# Altium PCB ControllerPCB2.PcbDoc (continued)
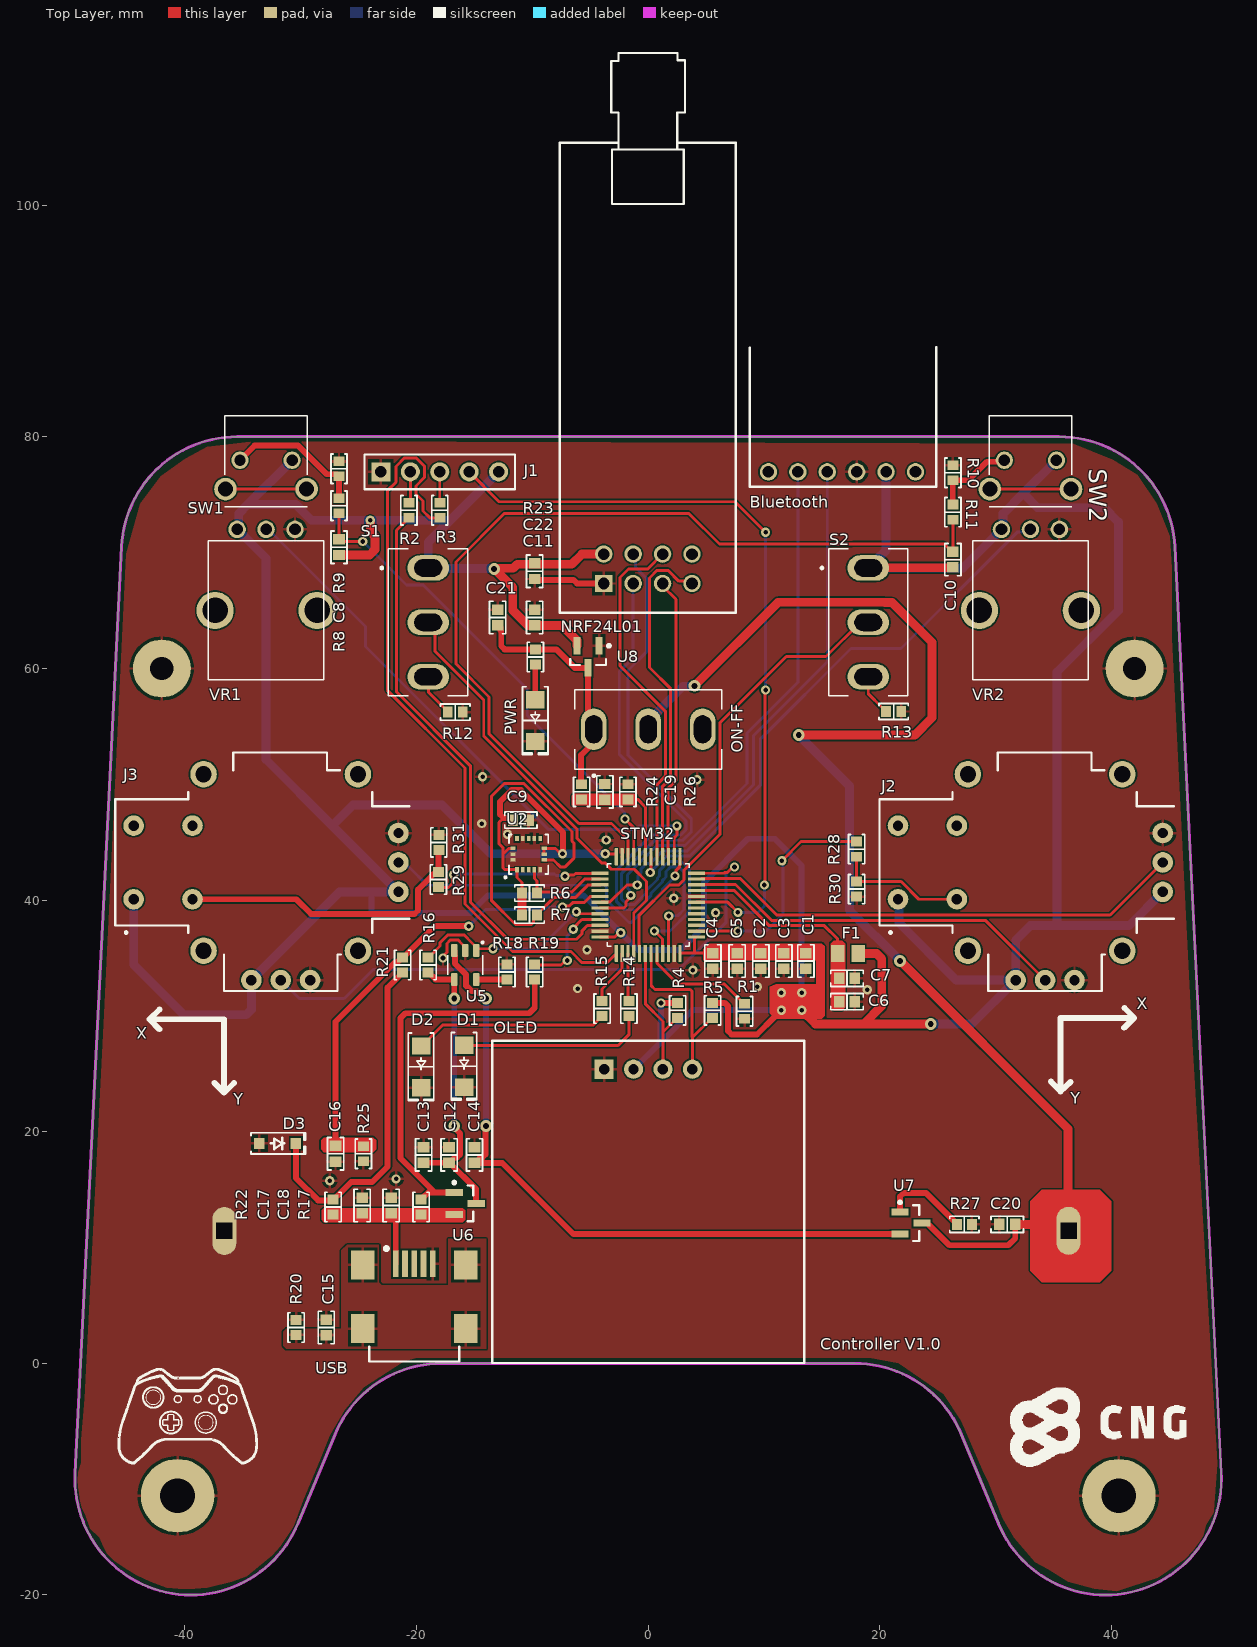
[diagram p0: Top Layer view]
## Part data (continued)
R18 R22: library part ERA-3AEB472V, "RES SMD 4.7K OHM 0.1% 1/10W 0603", Device Package="0603 (1608 Metric)", Manufacturer="Panasonic Electronic Components", Operating Temperature="-55°C ~ 155°C", Power (Watts)="0.1W, 1/10W", Ratings=AEC-Q200, Supplier Device Package=0603, Supplier Part Number 1=P4.7KDBCT-ND, Temperature Coefficient=±25ppm/°C, Tolerance=±0.1%, ComponentLink1Description=Datasheet, ComponentLink1URL=https://industrial.panasonic.com/cdbs/www-data/pdf/RDM0000/AOA0000C307.pdf, ComponentLink2Description="DigiKey Link", ComponentLink2URL=http://digikey.com/product-detail/en/panasonic-electronic-components/ERA-3AEB472V/P4.7KDBCT-ND/1466068, Composition="Thin Film", Features="Automotive AEC-Q200", Height - Seated (Max)="0.022\" (0.55mm)", LastUpdated="2.09.2020 01:10:23", Lifecycle Status=Active, Minimum Order=1, Number of Terminations=2, Package / Case="0603 (1608 Metric)", Packaging=TapeAndReel, Part Number=ERA-3AEB472V, Part Status=Active, PartId=5519, Price=0.04, Resistance="4.7 kOhms", Series=ERA-3A, Size / Dimension="0.063\" L x 0.031\" W (1.60mm x 0.80mm)", Supplier 1=DigiKey
R19: library part RNCS0603BKE100R, "RES 100 OHM 0.1% 1/16W 0603", Device Package="0603 (1608 Metric)", Manufacturer="Stackpole Electronics Inc", Operating Temperature="-55°C ~ 155°C", Power (Watts)="0.063W, 1/16W", Ratings=AEC-Q200, Supplier Device Package=0603, Supplier Part Number 1=RNCS0603BKE100RCT-ND, Temperature Coefficient=±25ppm/°C, Tolerance=±0.1%, ComponentLink1Description=Datasheet, ComponentLink1URL=https://www.seielect.com/catalog/sei-rncs_rnch.pdf, ComponentLink2Description="DigiKey Link", ComponentLink2URL=http://digikey.com/product-detail/en/stackpole-electronics-inc/RNCS0603BKE100R/RNCS0603BKE100RCT-ND/1800117, Composition="Thin Film", Features="Anti-Corrosive, Automotive AEC-Q200, Moisture Resistant", Height - Seated (Max)="0.022\" (0.55mm)", LastUpdated="2.09.2020 01:10:25", Lifecycle Status=Active, Minimum Order=1, Number of Terminations=2, Package / Case="0603 (1608 Metric)", Packaging=TapeAndReel, Part Number=RNCS0603BKE100R, Part Status=Active, PartId=4839, Price=0.08, Resistance="100 Ohms", Series=RNCS, Size / Dimension="0.061\" L x 0.031\" W (1.55mm x 0.80mm)", Supplier 1=DigiKey
R20 R26: library part RMCF0603FT1M00, "RES 1M OHM 1% 1/10W 0603", Device Package="0603 (1608 Metric)", Manufacturer="Stackpole Electronics Inc", Operating Temperature="-55°C ~ 155°C", Power (Watts)="0.1W, 1/10W", Ratings=AEC-Q200, Supplier Device Package=0603, Supplier Part Number 1=RMCF0603FT1M00CT-ND, Temperature Coefficient=±100ppm/°C, Tolerance=±1%, ComponentLink1Description=Datasheet, ComponentLink1URL=https://www.seielect.com/catalog/sei-rmcf_rmcp.pdf, ComponentLink2Description="DigiKey Link", ComponentLink2URL=http://digikey.com/product-detail/en/stackpole-electronics-inc/RMCF0603FT1M00/RMCF0603FT1M00CT-ND/1943143, Composition="Thick Film", Features="Automotive AEC-Q200", Height - Seated (Max)="0.022\" (0.55mm)", LastUpdated="2.09.2020 01:10:22", Lifecycle Status=Active, Minimum Order=1, Number of Terminations=2, Package / Case="0603 (1608 Metric)", Packaging=CutTape, Part Number=RMCF0603FT1M00, Part Status=Active, PartId=6074, Price=0.10, Resistance="1 MOhms", Series=RMCF, Size / Dimension="0.061\" L x 0.031\" W (1.55mm x 0.80mm)", Supplier 1=DigiKey
R21: library part RCS060347K0JNEA, "RES SMD 47K OHM 5% 1/4W 0603", Device Package="0603 (1608 Metric)", Manufacturer="Vishay Dale", Operating Temperature="-55°C ~ 155°C", Power (Watts)="0.25W, 1/4W", Ratings=AEC-Q200, Supplier Device Package=0603, Supplier Part Number 1=541-2819-1-ND, Temperature Coefficient=±200ppm/°C, Tolerance=±5%, ComponentLink1Description=Datasheet, ComponentLink1URL=http://www.vishay.com/docs/20065/rcse3.pdf, ComponentLink2Description="DigiKey Link", ComponentLink2URL=http://digikey.com/product-detail/en/vishay-dale/RCS060347K0JNEA/541-2819-1-ND/5867112, Composition="Thick Film", Features="Automotive AEC-Q200, Pulse Withstanding", Height - Seated (Max)="0.020\" (0.50mm)", LastUpdated="2.09.2020 01:10:23", Lifecycle Status=Active, Minimum Order=1, Number of Terminations=2, Package / Case="0603 (1608 Metric)", Packaging=TapeAndReel, Part Number=RCS060347K0JNEA, Part Status=Active, PartId=5445, Price=0.02, Resistance="47 kOhms", Series="RCS e3", Size / Dimension="0.061\" L x 0.033\" W (1.55mm x 0.85mm)", Supplier 1=DigiKey
R24: library part CRGP0603F270K, "CRGP 0603 270K 1%", Device Package="0603 (1608 Metric)", Manufacturer="TE Connectivity Passive Product", Operating Temperature="-55°C ~ 155°C", Power (Watts)="0.25W, 1/4W", Supplier Device Package=0603, Supplier Part Number 1=A130445CT-ND, Temperature Coefficient=±100ppm/°C, Tolerance=±1%, ComponentLink1Description=Datasheet, ComponentLink1URL=https://www.te.com/commerce/DocumentDelivery/DDEController?Action=srchrtrv&DocNm=9-1773463-9&DocType=DS&DocLang=English, ComponentLink2Description="DigiKey Link", ComponentLink2URL=http://digikey.com/product-detail/en/te-connectivity-passive-product/CRGP0603F270K/A130445CT-ND/8578277, Composition="Thick Film", Features="Pulse Withstanding", Height - Seated (Max)="0.022\" (0.55mm)", LastUpdated="2.09.2020 01:10:24", Lifecycle Status=Active, Minimum Order=1, Number of Terminations=2, Package / Case="0603 (1608 Metric)", Packaging=TapeAndReel, Part Number=CRGP0603F270K, Part Status=Active, PartId=5021, Price=0.02, Resistance="270 kOhms", Series=CRGP, Size / Dimension="0.063\" L x 0.031\" W (1.60mm x 0.80mm)", Supplier 1=DigiKey
R25: library part AC0603FR-0756KL, "RES SMD 56K OHM 1% 1/10W 0603", Device Package="0603 (1608 Metric)", Manufacturer=Yageo, Operating Temperature="-55°C ~ 155°C", Power (Watts)="0.1W, 1/10W", Ratings=AEC-Q200, Supplier Device Package=0603, Supplier Part Number 1=YAG3619CT-ND, Temperature Coefficient=±100ppm/°C, Tolerance=±1%, ComponentLink1Description=Datasheet, ComponentLink1URL=https://www.yageo.com/upload/media/product/productsearch/datasheet/rchip/PYu-AC_51_RoHS_L_7.pdf, ComponentLink2Description="DigiKey Link", ComponentLink2URL=http://digikey.com/product-detail/en/yageo/AC0603FR-0756KL/YAG3619CT-ND/6006468, Composition="Thick Film", Features="Automotive AEC-Q200, Moisture Resistant", Height - Seated (Max)="0.022\" (0.55mm)", LastUpdated="2.09.2020 01:09:58", Lifecycle Status=Active, Minimum Order=1, Number of Terminations=2, Package / Case="0603 (1608 Metric)", Packaging=CutTape, Part Number=AC0603FR-0756KL, Part Status=Active, PartId=17472, Price=0.10, Resistance="56 kOhms", Series=AC, Size / Dimension="0.063\" L x 0.031\" W (1.60mm x 0.80mm)", Supplier 1=DigiKey
STM32: "MCU 32-Bit Ultra Low Power STM32L ARM Cortex M0+ RISC 64kB Flash 48-Pin LQFP Tray", Case/Package=LQFP, Frequency=32MHz, Manufacturer=STMicroelectronics, Max Operating Temperature=85°C, Max Power Dissipation=363mW, Max Supply Voltage=3.6V, Min Operating Temperature=-40°C, Supplier Part Number 1=497-14900-ND, Category=Microcontrollers, ComponentLink1Description=https://datasheet.ciiva.com/48492/dm00108219-48492460.pdf?src-supplier=Avnet, ComponentLink1URL=https://datasheet.ciiva.com/48492/dm00108219-48492460.pdf?src-supplier=Avnet, Core Architecture=ARM, Data Bus Width=32b, Lead Free="Lead Free", Manufacturer Part Number=STM32L051C8T6, Max Frequency=32MHz, Memory Size=64KB, Memory Type=FLASH, Number of Pins=48, Number of Programmable I/O=37, Number of Timers/Counters=5, Number of I/Os=37, Oscillator Type=Internal, Packaging=Tray, Peripherals="Brown-out Detect/Reset,POR,PWM,WDT,DMA", Pricing 1="1=4,40000, 10=3,95400, 25=3,73840, 80=3,24000, 250=3,07380, 500=2,76920 (USD)", RAM Size=8KB, REACH SVHC="No SVHC", RoHS=Yes, RoHS Compliant=Yes, Supplier 1=Digi-Key, Watchdog Timer=Yes, Interface=I2C,SPI,IrDA,UART,USART,I2S
U2: "MEMS digital output motion sensor ultra low-power high performance 3-axes \"nano\" accelerometer", Case/Package=LGA, Manufacturer=STMicroelectronics, Max Operating Temperature=85°C, Max Supply Voltage=3.6V, Min Operating Temperature=-40°C, Min Supply Voltage=1.71V, Operating Supply Current=11uA, Operating Supply Voltage=2.5V, Package Quantity=490, Supplier Part Number 1=497-10610-ND, Axis="X, Y, Z", Bandwidth=5kHz, Category=Accelerometers, ComponentLink1Description=https://datasheet.ciiva.com/26928/lis3dh-26928591.pdf?src-supplier=IIIC, ComponentLink1URL=https://datasheet.ciiva.com/26928/lis3dh-26928591.pdf?src-supplier=IIIC, ComponentLink2Description=https://datasheet.ciiva.com/1166/1834384-1166167.pdf?src-supplier=Element14, ComponentLink2URL=https://datasheet.ciiva.com/1166/1834384-1166167.pdf?src-supplier=Element14, ComponentLink3Description=https://datasheet.ciiva.com/2810/cd00274221-2810007.pdf?src-supplier=Digi-Key, ComponentLink3URL=https://datasheet.ciiva.com/2810/cd00274221-2810007.pdf?src-supplier=Digi-Key, ComponentLink4Description=https://datasheet.ciiva.com/16638/cd00274221-16638201.pdf?src-supplier=Avnet+Europe, ComponentLink4URL=https://datasheet.ciiva.com/16638/cd00274221-16638201.pdf?src-supplier=Avnet+Europe, ComponentLink5Description=https://datasheet.ciiva.com/5296/cd00274221-470704-5296509.pdf?src-supplier=Mouser, ComponentLink5URL=https://datasheet.ciiva.com/5296/cd00274221-470704-5296509.pdf?src-supplier=Mouser, Depth=3mm, Height=1mm, Lead Free="Lead Free", Length=3mm, Manufacturer Part Number=LIS3DH, Max Supply Voltage (DC)=3.6V, Min Supply Voltage (DC)=1.71V, Number of Pins=16, Output Type=Digital, Packaging=Tray, Radiation Hardening=No, REACH SVHC="No SVHC", Resolution=16b, RoHS=Yes, RoHS Compliant=Yes, Sensor Type="3 Axis", Series=LIS3DH, Supplier 1=Digi-Key, Width=3mm, Interface=I2C,SPI
U5: "STC4054 Series 6.5 V 800 mA Standalone Linear Li-Ion Battery Charger - TSOT-23-5", Case/Package=SOT-23-5, Manufacturer=STMicroelectronics, Max Operating Temperature=85°C, Max Output Current=800mA, Max Supply Voltage=6.5V, Min Operating Temperature=-40°C, Min Supply Voltage=4.25V, Min Input Voltage=4.2V, Package Quantity=1, Supplier Part Number 1=497-5809-1-ND, Category="Battery Management", ComponentLink1Description=https://datasheet.ciiva.com/4874/cd00132951-98930-4874537.pdf?src-supplier=Mouser, ComponentLink1URL=https://datasheet.ciiva.com/4874/cd00132951-98930-4874537.pdf?src-supplier=Mouser, ComponentLink2Description=https://datasheet.ciiva.com/17299/cd00132951-17299245.pdf?src-supplier=Avnet+Europe, ComponentLink2URL=https://datasheet.ciiva.com/17299/cd00132951-17299245.pdf?src-supplier=Avnet+Europe, ComponentLink3Description=https://datasheet.ciiva.com/1934/cd00132951-1934403.pdf?src-supplier=Digi-Key, ComponentLink3URL=https://datasheet.ciiva.com/1934/cd00132951-1934403.pdf?src-supplier=Digi-Key, ComponentLink4Description=https://datasheet.ciiva.com/1934/cd00132951-1934404.pdf?src-supplier=Digi-Key, ComponentLink4URL=https://datasheet.ciiva.com/1934/cd00132951-1934404.pdf?src-supplier=Digi-Key, ComponentLink5Description=https://datasheet.ciiva.com/1934/cd00132951-1934405.pdf?src-supplier=Digi-Key, ComponentLink5URL=https://datasheet.ciiva.com/1934/cd00132951-1934405.pdf?src-supplier=Digi-Key, ComponentLink6Description=https://datasheet.ciiva.com/3213/cd00132951-3213446.pdf?src-supplier=Avnet, ComponentLink6URL=https://datasheet.ciiva.com/3213/cd00132951-3213446.pdf?src-supplier=Avnet, Contact Plating=Gold, Lead Free="Lead Free", Manufacturer Part Number=STC4054GR, Max Input Voltage=6.5V, Mount="Surface Mount", Number of Pins=23, Output Current=800mA, Output Voltage=4.2V, Packaging="Tape and Reel", Pricing 1="1=1,66000, 10=1,49200, 25=1,40800, 100=1,19960, 250=1,12636, 500=0,98556, 1000=0,92978 (USD)", Radiation Hardening=No, RoHS=Yes, RoHS Compliant=Yes, Series=-, Stock 1=8928, Supplier 1=Digi-Key
U6 U7: "Small-Signal Mosfet Pch Sot23F, Vdss=-12V, Id=-6A, Rdson: 20Ohm Rohs Compliant: Yes", Case/Package=SOT-23-3, Continuous Drain Current (ID)=6A, Drain to Source Voltage (Vdss)=12V, Manufacturer=Toshiba, Max Power Dissipation=1W, Input Capacitance=1.4nF, Category=MOSFETs, ComponentLink1Description=http://www.mouser.com/ds/2/408/SSM3J338R_datasheet_en_20150831-805928.pdf?src-supplier=Mouser, ComponentLink1URL=http://www.mouser.com/ds/2/408/SSM3J338R_datasheet_en_20150831-805928.pdf?src-supplier=Mouser, ComponentLink2Description=http://toshiba.semicon-storage.com/info/docget.jsp?did=30384&prodName=SSM3J338R&src-supplier=Digi-Key, ComponentLink2URL=http://toshiba.semicon-storage.com/info/docget.jsp?did=30384&prodName=SSM3J338R&src-supplier=Digi-Key, Manufacturer Part Number=SSM3J338R,LF, Mount="Surface Mount", Packaging="Tape and Reel", Pricing 1="1=0,38000, 10=0,31000, 100=0,21120, 500=0,15840, 1000=0,11880 (USD)", Rds On Max=17.6mR, RoHS=Yes, RoHS Compliant=Yes, Supplier 1=Digi-Key
U8: "Pwr Sply Func, Voltage Regulator, LDO, SOT-23, PD 369.6mW, VO 3.3V, Regline +/-0.75%/V", Case/Package=SOT-23, Dropout Voltage=178mV, Manufacturer=Microchip, Max Operating Temperature=125°C, Max Output Current=250mA, Max Output Voltage=3.3V, Max Power Dissipation=369.6mW, Max Supply Voltage=6V, Min Operating Temperature=-40°C, Min Supply Voltage=2.3V, Nominal Supply Current=4uA, Output Voltage Accuracy=2%, Package Quantity=3000, Supplier Part Number 1=MCP1700T3302ETTCT-ND, Input Bias Current=1.6uA, Accuracy=2%, Category="Voltage Regulators - Linear", ComponentLink1Description=https://datasheet.ciiva.com/2040/21826b-2040112.pdf?src-supplier=Digi-Key, ComponentLink1URL=https://datasheet.ciiva.com/2040/21826b-2040112.pdf?src-supplier=Digi-Key, ComponentLink2Description=https://datasheet.ciiva.com/5801/1784514-5801824.pdf?src-supplier=Farnell, ComponentLink2URL=https://datasheet.ciiva.com/5801/1784514-5801824.pdf?src-supplier=Farnell, ComponentLink3Description=https://datasheet.ciiva.com/2040/21826b-2040113.pdf?src-supplier=Digi-Key, ComponentLink3URL=https://datasheet.ciiva.com/2040/21826b-2040113.pdf?src-supplier=Digi-Key, ComponentLink4Description=https://datasheet.ciiva.com/2040/21826b-2040114.pdf?src-supplier=Digi-Key, ComponentLink4URL=https://datasheet.ciiva.com/2040/21826b-2040114.pdf?src-supplier=Digi-Key, ComponentLink5Description=https://datasheet.ciiva.com/3224/jp011779-3224133.pdf?src-supplier=Avnet, ComponentLink5URL=https://datasheet.ciiva.com/3224/jp011779-3224133.pdf?src-supplier=Avnet, ComponentLink6Description=https://datasheet.ciiva.com/7649/1784514-7649813.pdf?src-supplier=Element14, ComponentLink6URL=https://datasheet.ciiva.com/7649/1784514-7649813.pdf?src-supplier=Element14, ComponentLink7Description=https://datasheet.ciiva.com/15200/getdatasheetpartid-453599-15200229.pdf?src-supplier=Verical, ComponentLink7URL=https://datasheet.ciiva.com/15200/getdatasheetpartid-453599-15200229.pdf?src-supplier=Verical, ComponentLink8Description=https://datasheet.ciiva.com/17364/jp011779-17364263.pdf?src-supplier=Avnet+Europe, ComponentLink8URL=https://datasheet.ciiva.com/17364/jp011779-17364263.pdf?src-supplier=Avnet+Europe, ComponentLink9Description=https://datasheet.ciiva.com/14150/mcp1700-eng-tds-14150122.pdf?src-supplier=Distrelec, ComponentLink9URL=https://datasheet.ciiva.com/14150/mcp1700-eng-tds-14150122.pdf?src-supplier=Distrelec, ComponentLink10Description=https://datasheet.ciiva.com/22710/1784514-22710988.pdf?src-supplier=Element14, ComponentLink10URL=https://datasheet.ciiva.com/22710/1784514-22710988.pdf?src-supplier=Element14, ComponentLink11Description=https://datasheet.ciiva.com/8041/1784514-8041598.pdf?src-supplier=Element14, ComponentLink11URL=https://datasheet.ciiva.com/8041/1784514-8041598.pdf?src-supplier=Element14, ComponentLink12Description=https://datasheet.ciiva.com/16208/filehandler-aspxddocname-en011779-16208911.pdf?src-supplier=Future+Electronics, ComponentLink12URL=https://datasheet.ciiva.com/16208/filehandler-aspxddocname-en011779-16208911.pdf?src-supplier=Future+Electronics, ComponentLink13Description=https://datasheet.ciiva.com/29305/651414-da-01-en-ic-reg-ld-mcp1700t-3302e-tt-sot-23-3-mcp-29305258.pdf?src-supplier=Conrad, ComponentLink13URL=https://datasheet.ciiva.com/29305/651414-da-01-en-ic-reg-ld-mcp1700t-3302e-tt-sot-23-3-mcp-29305258.pdf?src-supplier=Conrad, Contact Plating=Tin,Matte, Height=0.95mm, Lead Free="Lead Free", Length=2.9mm, Manufacturer Part Number=MCP1700T-3302E/TT, Max Input Voltage=6V, Min Output Voltage=3.3V, Min Input Voltage=2.3V, Mount="Surface Mount", Nominal Output Voltage=3.3V, Number of Outputs=1, Number of Pins=3, Output Current=250mA, Output Type=Fixed, Output Voltage=3.3V, Packaging="Tape and Reel", Polarity=Positive, Power Dissipation=369.6mW, Pricing 1="1=0,46000, 25=0,38160, 100=0,34500 (USD)", Quiescent Current=4uA, Radiation Hardening=No, REACH SVHC="No SVHC", RoHS=Yes, Supplier 1=Digi-Key, Termination=SMD/SMT, Width=1.3mm
USB: "Conn Mini USB Type B RCP 5 POS 0.8mm Solder RA SMD 5 Terminal 1 Port T/R", Manufacturer="GCT (GLOBAL CONNECTOR TECHNOLOGY)", Supplier Part Number 1=28X2565, ComponentLink1Description=http://www.farnell.com/datasheets/2342959.pdf?src-supplier=Farnell, ComponentLink1URL=http://www.farnell.com/datasheets/2342959.pdf?src-supplier=Farnell, ComponentLink2Description=http://www.farnell.com/datasheets/2342959.pdf?src-supplier=Newark, ComponentLink2URL=http://www.farnell.com/datasheets/2342959.pdf?src-supplier=Newark, Manufacturer Part Number=USB2066-05-RBHM-15-STB-00-00-A, RoHS=No, Supplier 1=Newark
VR1 VR2: "Res Carbon Film POT 100K Ohm 20% 1/20W 1(Elec)/1(Mech)Turn 6mm (11.4 X 12.65 X 28.8mm) Pin Bracket Mount/Through Hole", Manufacturer=Bourns, Max Operating Temperature=50°C, Max Power Dissipation=50mW, Min Operating Temperature=-10°C, Package Quantity=100, Resistance=100kR, Resistor Type=Carbon, Supplier Part Number 1=PTV09A-4225F-B104-ND, Tolerance=20%, Actuator Diameter=0.236inch, Actuator Length=0.984inch, Category="Variable Resistors and Potentiometers", ComponentLink1Description=https://datasheet.ciiva.com/6249/ptv09-6249573.pdf?src-supplier=Digi-Key, ComponentLink1URL=https://datasheet.ciiva.com/6249/ptv09-6249573.pdf?src-supplier=Digi-Key, Depth=12.5mm, Height=12.5mm, Hole Diameter=9.1mm, Length=11.4mm, Manufacturer Part Number=PTV09A-4225F-B104, Military Standard=Not, Mount="Through Hole,Snap in,Brackets,Horizontal", Number of Gangs=1, Number of Turns=1, Packaging=Bulk, Power Rating=50mW, Pricing 1="1=0,83000, 10=0,74400, 25=0,67200, 40=0,64800, 100=0,61200, 300=0,58800, 500=0,55200, 1000=0,45600, 4900=0,37200 (USD)", Radiation Hardening=No, REACH SVHC="No SVHC", RoHS=Yes, RoHS Compliant=Yes, Series="Pro Audio PTV09", Stock 1=376, Supplier 1=Digi-Key, Taper=Linear, Technology="CARBON FILM", Termination=Pin, Type=Potentiometer
ON-FF S1 S2: ComponentLink1Description=https://datasheet.ciiva.com/24455/t111597-24455739.pdf?src-supplier=Onlinecomponents.com, ComponentLink1URL=https://datasheet.ciiva.com/24455/t111597-24455739.pdf?src-supplier=Onlinecomponents.com, ComponentLink2Description=https://datasheet.ciiva.com/2905/t111597-2905494.pdf?src-supplier=Digi-Key, ComponentLink2URL=https://datasheet.ciiva.com/2905/t111597-2905494.pdf?src-supplier=Digi-Key

## Free pads (board coordinates)
  round 5 hole 2: 41(-42,60) 41(42,60)
  round 6.35 hole 3: 41(-40.64,-11.43) 41(40.64,-11.43)

## Via types
v1: diameter 0.8, hole 0.4, Top Layer to Bottom Layer, 48 vias
v2: diameter 1.016, hole 0.508, Top Layer to Bottom Layer, 9 vias

## Nets (pads, with @x,y where several pads share a name; then routed paths per layer and width w, separated by ;. In a path a pad name is that pad's centre, name@x,y a point inside that pad or via, vN(x,y) a via of type N, cw(c..) or ccw(c..) an arc to the next point about the centre after c; other vN are vias at no path point)
BAT_PIN: C14.2 U5.3 U7.2 | length 59.7
  Top Layer w0.508: U5.3 -16.709,35.604 -16.709,35.185 -16.696,35.171 -16.696,34.526 -15.723,33.553 -15.723,32.603 -15.248,32.128 -14.765,32.128 -14.137,31.5 v2(-14,31.5) ; v2(-14,20.5) -14.043,20.457 -14.043,18.036 -14.311,17.768 -14.507,17.768 -14.95,17.325 C14.2 -14.975,17.3 -12.6,17.3 -6.458,11.158 U7.2
  Bottom Layer w0.508: v2(-14,20.5) v2(-14,31.5)
GND: BATTERY.NEG Bluetooth.4 C1.1 C2.1 C3.1 C4.1 C5.1 C6.1 C7.1 C9.1 C11.2 C12.1 C13.1 C14.1 C15.1 C16.1 C17.1 C18.1 C19.1 C20.1 C21.1 C22.1 D1.2 D2.2 D3.1 J1.1 J2.H3 J2.V3 J3.H3 J3.V3 NRF24L01.1 OLED.1 pad.41 PWR.2 R1.1 R9.1 R11.1 R12.1 R13.1 R18.1 R20.1 R25.1 R26.1 R27.1 R30.1 R31.1 STM32.8 STM32.23 STM32.35 STM32.47 U2.5 U2.10 U2.12 U2.15 U2.16 U5.2 U8.1 USB.5 VR1.1 VR2.1 | length 10.9
  Top Layer w0.254: v1(-17.72,35) -17.72,35.148 -17.375,35.493 -17.375,36.265 -17.095,36.545 -16.405,36.545 -16.125,36.265 -16.125,36.256 -15.8,35.931 U5.2 ; C9.1@-10.323,46.864 C9.1 ; U2.10@-9.847,45.331 U2.10 ; STM32.23@-2.263,43.754 STM32.23
  Top Layer w0.508: C11.2@-9.8,67.65 -6.45,67.65 -6.14,67.34 NRF24L01.1
  Top Layer w0.762: BATTERY.NEG BATTERY.NEG@-36.6,12.465
  other v1: -27.488,15.763 -21.768,15.926 18.923,32.258 -6.096,32.36 9.423,32.512 3.861,33.96 -5.283,35.712 5.817,38.913 2.21,40.157 -3.632,45.187 -12.148,45.695 -14.376,46.609 4.216,50.394 -14.3,50.648
I2C1_SCL: OLED.3 R4.1 STM32.42 | length 12.4
  Top Layer w0.254: STM32.42 -0.25,31.047 1.271,29.526 1.271,28.611 ; OLED.3 1.271,28.611 ; R4.1 2.49,29.83 1.271,28.611
I2C1_SDA: OLED.4 R5.1 STM32.43 | length 15.7
  Top Layer w0.254: STM32.43 0.263,35.388 0.263,32.61 0.59,32.283 3.626,32.283 3.774,32.135 3.774,28.166 3.811,28.13 ; OLED.4 3.811,28.13 ; R5.1 5.511,29.83 3.811,28.13
I2C2_SCL: R6.1 STM32.26 U2.4 | length 8.1
  Top Layer w0.254: U2.4 -9.83,41.857 -9.6,41.628 -9.6,40.695 R6.1 -9.505,40.695 -6.605,40.695 -5.479,41.821 STM32.26
I2C2_SDA: R7.1 STM32.27 U2.6 | length 35.5
  Top Layer w0.254: U2.6 -8.176,43.467 -7.555,42.847 -7.209,42.847 -6.391,43.664 -6.391,44.891 -6.588,45.088 -6.588,45.914 -10.758,50.084 -12.416,50.084 -13.513,48.987 -13.513,39.946 -11.462,37.895 -10.087,37.895 -9.898,38.084 -9.898,38.402 R7.1 -9.6,38.75 -8.112,40.238 -6.262,40.238 -5.179,41.321 STM32.27
nBoot: R1.2 STM32.44 | length 9.9
  Top Layer w0.254: STM32.44 0.763,35.388 0.763,34.556 2.579,32.741 6.594,32.741 8.281,31.054 R1.2
NetB3_POS: BATTERY.POS C20.2 ON-FF.2 U7.3 | length 112.3
  Top Layer w0.508: U7.3 24.094,12.108 26.002,10.2 31.1,10.2 31.69,10.79 31.69,11.985 C20.2
  Top Layer w0.762: v2(4,58.5) 11.217,65.717 20.42,65.717 20.443,65.693 21.057,65.693 24.5,62.25 24.5,55.75 23,54.25 v2(13,54.25) ; v2(21.75,34.75) 36.25,20.25 36.25,14.25 ; C20.2 34.4,12 34.5,11.9
  Bottom Layer w0.762: ON-FF.2 0,55.45 3.001,58.451 3.951,58.451 v2(4,58.5) ; v2(13,54.25) 17.375,49.875 17.375,39.125 v2(21.75,34.75)
NetC8_2: C8.2 R8.2 STM32.21 | length 42.2
  Top Layer w0.254: R8.2 C8.2 -26.518,70.968 v1(-24.638,70.968) ; v1(-2,47) -1.25,46.25 STM32.21
  Bottom Layer w0.254: v1(-24.638,70.968) -20.871,67.201 -19.423,67.201 -10.444,58.221 -10.444,55.944 -2.048,47.548 -2.048,47.048 v1(-2,47)
NetC10_2: C10.2 R10.2 STM32.22 | length 82.1
  Top Layer w0.254: STM32.22 -1.75,45.188 -3.176,46.614 -5.995,46.614 -13.743,54.362 -13.743,57.543 -16.6,60.4 -16.6,69.2 -12.4,73.4 3.484,73.4 6.145,70.739 17.632,70.739 17.65,70.757 25.568,70.757 26.25,70.075 C10.2 R10.2
NetC12_2: C12.2 C13.2 R16.2 U5.4 U6.3 | length 25.7
  Top Layer w0.508: C13.2 C12.2 C12.2@-17.15,17.325 ; R16.2 -18.95,33.75 -18.355,33.155 U5.4 v2(-16.75,31.5) ; v2(-16.75,20.5) -16.75,20.363 -16.243,19.855 -16.243,18.036 -16.511,17.768 -16.707,17.768 C12.2@-17.15,17.325 ; U6.3 -14.857,15.031 C12.2@-17.15,17.325
  Bottom Layer w0.508: v2(-16.75,20.5) v2(-16.75,31.5)
NetC15_2: C15.2 R20.2 USB.6 USB.7 USB.8 USB.9
NetC16_2: C16.2 R21.1 R25.2 STM32.29 | length 38
  Top Layer w0.254: v1(-7.4,39.4) -7.296,39.504 -6.8,39.504 -6.523,39.781 -5.541,39.781 -5.014,40.308 -4.183,40.308 STM32.29
  Top Layer w0.508: C16.2 -27,29.497 -21.864,34.632 -21.668,34.632 -21.25,35.05 -21.15,35.05 -18.45,37.75 v1(-15.5,37.75)
  Bottom Layer w0.254: v1(-15.5,37.75) -14.05,39.2 -8.945,39.2 -8.745,39.4 v1(-7.4,39.4)
NetC19_2: C19.2 R24.1 R26.2 STM32.19 | length 6.1
  Top Layer w0.254: R26.2 -0.9,48.7 -0.25,48.05 STM32.19
NetD1_1: D1.1 R14.2 | length 16.2
  Top Layer w0.254: D1.1 -2.594,27.454 -1.676,28.372 R14.2
NetD2_1: D2.1 R15.2 | length 16.7
  Top Layer w0.254: D2.1 -19.559,27.407 -17.73,29.235 -4.735,29.235 R15.2
NetD3_2: D3.2 R21.2 R22.2 | length 30.3
  Top Layer w0.508: D3.2 -30.425,16 -28.502,14.077 -27.277,14.077 R22.2 -27.15,14.153 -25.641,15.662 -23.838,15.662 -22.5,17 -22.5,32.45 -21.421,33.529 -21.421,33.579 -21.25,33.75 R21.2
NetD4_1: PWR.1 R23.1 | length 3
  Top Layer w0.508: PWR.1 R23.1
NetH1_2: Bluetooth.2 STM32.31 | length 47.6
  Top Layer w0.254: STM32.31 -2.102,39.321 -1.922,39.5 -1.922,39.85 -1.513,40.26 v1(-1.513,40.408)
  Bottom Layer w0.254: v1(-1.513,40.408) -1.617,40.512 -1.617,40.867 -1.778,41.028 -1.778,42.186 0.746,44.71 3.18,44.71 8.534,50.065 8.534,54.407 12.921,58.794 Bluetooth.2
NetH1_3: Bluetooth.3 STM32.30 | length 47.6
  Top Layer w0.254: STM32.30@-4.013,39.851 -3.288,39.851 -1.829,41.31 v1(-0.956,41.31)
  Bottom Layer w0.254: v1(-0.956,41.31) -0.898,41.367 -0.898,42.091 -0.606,42.383 -0.606,42.712 -0.149,43.169 0.18,43.169 1.264,44.253 3.369,44.253 9.107,49.991 9.107,54.217 15.461,60.572 Bluetooth.3
NetJ1_2: J1.2 R2.2 | length 2.7
  Top Layer w0.254: R2.2 -20.539,74.434 J1.2
NetJ1_3: J1.3 R3.2 | length 2.7
  Top Layer w0.254: R3.2 J1.3
NetJ2_B2A: J2.B2A R28.2 R30.2 | length 11.4
  Top Layer w0.254: R28.2 R30.2 21.844,41.6 23.367,40.077 J2.B2A
NetJ2_H2: J2.H2 STM32.11 | length 43
  Top Layer w0.254: STM32.11@4.572,41.851 7.959,41.851 11.1,38.71 39.889,38.71 J2.H2
NetJ2_V2: J2.V2 STM32.10 | length 33.9
  Top Layer w0.254: STM32.10@3.835,41.351 7.544,41.351 10.643,38.252 29.111,38.252 J2.V2
NetJ3_B2A: J3.B2A R29.2 R31.2 | length 26.2
  Top Layer w0.508: J3.B2A -30.379,40.077 -29.102,38.8 -20.18,38.8 -19.882,39.098 -19.882,40.907 -18.528,42.262 -18.281,42.262 R29.2 -18.098,42.446 -18.098,44.321 R31.2
NetJ3_H2: J3.H2 STM32.13 | length 30.3
  Top Layer w0.254: v1(2.314,42.091) 2.418,42.195 2.418,42.578 2.72,42.879 2.72,43.026 2.737,43.043 2.737,43.728 STM32.13
  Bottom Layer w0.254: J3.H2 -21.156,43.252 -20.771,42.866 -20.666,42.866 -19.085,41.285 -3.749,41.285 -3.6,41.136 -3.6,40 -1.666,38.066 -1.456,38.066 1.245,40.767 1.245,40.949 2.314,42.018 v1(2.314,42.091)
NetJ3_V2: J3.V2 STM32.12 | length 50.5
  Top Layer w0.254: J3.V2 J3.V2@-31.714,33.077 ; STM32.12 6.56,42.321 6.636,42.397 6.844,42.397 7.308,42.862 v1(7.456,42.862)
  Bottom Layer w0.254: J3.V2 -30.137,31.5 -26.25,31.5 -23.75,34 2.642,34 6.731,38.089 6.731,42.302 6.911,42.482 6.928,42.482 7.308,42.862 v1(7.456,42.862)
NetR8_1: R8.1 R9.2 SW1.2 | length 12.1
  Top Layer w0.508: SW1.2 -33.992,79.239 -30.228,79.239 -27.76,76.771 -26.871,76.771 R9.2 R8.1
NetR10_1: R10.1 R11.2 SW2.2 | length 7.3
  Top Layer w0.508: R10.1 R11.2 27.636,76.25 29.24,77.854 30.623,77.854 SW2.2
NetR12_2: R12.2 S1.3 | length 3.7
  Top Layer w0.254: S1.3 -18.977,59.26 -18.977,57.95 -18.28,57.253 -17.312,56.286 R12.2
NetR13_2: R13.2 S2.3 | length 3.7
  Top Layer w0.254: S2.3 19.001,57.813 20.18,56.634 20.246,56.634 20.544,56.336 R13.2
NetR14_1: R14.1 STM32.39 | length 4.1
  Top Layer w0.254: STM32.39 -1.75,31.356 R14.1
NetR15_1: R15.1 STM32.38 | length 4.8
  Top Layer w0.254: R15.1 -3.988,32.319 -2.25,34.057 STM32.38
NetR16_1: R16.1 STM32.32 U5.1 | length 18.3
  Top Layer w0.254: R16.1 -18.95,35.05 -17.968,36.032 -17.968,36.319 -17.285,37.002 -15.912,37.002 -15.175,36.265 -15.175,36.256 -14.85,35.931 U5.1 -14.695,35.8 v1(-13.4,35.8) -13.4,35.749 v1@-13.549,35.6 ; v1(-6.2,39) -6.052,39 -5.873,38.821 STM32.32
  Bottom Layer w0.254: v1(-13.4,35.8) -9.424,35.8 -6.877,38.348 -6.852,38.348 v1(-6.2,39)
NetR17_1: R17.1 R19.2 U6.1 | length 33.8
  Top Layer w0.508: R17.1 -19.55,14.153 -19.379,14.324 -19.379,14.374 -18.995,14.758 -18.43,14.758 ; U6.1 -18.43,14.758 ; R19.2 -9.8,30.698 -10.264,30.234 -20.966,30.234 -21.4,29.8 -21.4,17.728 -18.43,14.758
NetR18_2: R18.2 U5.5 | length 2.7
  Top Layer w0.508: U5.5 -12.205,33.155 R18.2
NetR19_1: R19.1 STM32.33 | length 8.6
  Top Layer w0.254: R19.1 -9.75,34.4 -7.529,34.4 -7.148,34.781 v1(-7,34.781) ; v1(-6.474,37.485) -6.474,37.579 -5.732,38.321 STM32.33
  Bottom Layer w0.254: v1(-7,34.781) -7,36.907 -6.474,37.433 v1(-6.474,37.485)
NetR27_2: R27.2 U7.1 | length 7.5
  Top Layer w0.508: U7.1 21.743,14.402 22.041,14.7 24,14.7 26.65,12.05 R27.2
NetR28_1: R28.1 STM32.2 | length 19.9
  Top Layer w0.254: STM32.2 4.179,37.329 7.738,37.329 v1(7.747,37.338) ; v1(11.543,43.395) 13.198,45.05 R28.1
  Bottom Layer w0.254: v1(7.747,37.338) 10.185,37.338 11.633,38.786 11.633,43.305 v1(11.543,43.395)
NetR29_1: R29.1 STM32.25 | length 15
  Top Layer w0.254: R29.1 -18.077,41.1 -17.254,41.1 -16.904,41.45 -16.904,42.096 v1(-16.8,42.2) ; v1(-7.188,42.066) -7.084,42.17 -6.418,42.17 -6.28,42.308 -4.183,42.308 STM32.25
  Bottom Layer w0.254: v1(-16.8,42.2) -16.755,42.245 -8.096,42.245 -7.969,42.118 -7.241,42.118 v1(-7.188,42.066)
NetS1_2: S1.2 STM32.40 | length 38.2
  Top Layer w0.254: S1.2 -18.426,63.409 -18.426,61.503 -14.2,57.278 -14.2,54.173 -6.131,46.104 -6.131,45.327 -4.023,43.219 -3.737,43.219 -3.183,42.666 -1.207,42.666 -0.153,41.612 -0.153,39.975 -1.25,38.879 STM32.40
NetS2_2: S2.2 STM32.41 | length 39
  Top Layer w0.254: STM32.41@-0.78,36.043 -0.78,38.702 1.828,41.31 2.637,41.31 3.095,41.767 3.095,42.577 6.181,45.663 6.181,55.292 11.926,61.037 15.356,61.037 18.301,63.982 S2.2
NetSW1_S1: SW1.S1 SW1.S2 | length 7
  Top Layer w0.254: SW1.S2 SW1.S1
NetSW2_S1: SW2.S1 SW2.S2 | length 7
  Top Layer w0.254: SW2.S2 SW2.S1
NetU1_14: STM32.14 VR1.2 | length 50.1
  Top Layer w0.254: STM32.14 2.25,45.384 2.478,45.611 v1(2.478,46.406)
  Bottom Layer w0.254: VR1.2 -32.785,72.01 -24.409,63.634 -24.409,61.898 -8.593,46.082 -1.124,46.082 -0.8,46.406 v1(2.478,46.406)
NetU1_15: NRF24L01.5 STM32.15 | length 24.4
  Top Layer w0.254: NRF24L01.5 1.24,67.131 2.395,65.976 2.395,50.316 1.697,49.618 1.697,46.082 1.72,46.059 STM32.15@1.72,43.741
NetU1_16: NRF24L01.7 STM32.16 | length 29
  Top Layer w0.254: STM32.16@1.22,44.3 1.22,49.788 1.938,50.506 1.938,58.241 0.105,60.075 0.105,67.81 0.77,68.475 1.71,68.475 2.645,67.54 3.58,67.54 NRF24L01.7
NetU1_17: NRF24L01.6 STM32.17 | length 30.6
  Top Layer w0.254: STM32.17 0.75,49.964 1.481,50.695 1.481,56.313 -2.435,60.229 -2.435,67.865 -1.7,68.6 -0.04,68.6 NRF24L01.6
NetU1_18: STM32.18 VR2.2 | length 48.8
  Top Layer w0.254: v1(0.175,42.388) 0.237,42.45 0.237,43.728 STM32.18
  Bottom Layer w0.254: v1(0.175,42.388) 0.175,42.397 1.574,43.796 3.559,43.796 9.677,49.915 9.677,53.899 17.501,61.722 21.819,61.722 31.867,71.77 32.762,71.77 VR2.2
NetU1_45: NRF24L01.4 STM32.45 | length 55
  Top Layer w0.254: v1(0.533,37.338) 1.237,36.634 1.237,35.414 STM32.45
  Bottom Layer w0.254: NRF24L01.4 -1.1,69.68 -1.1,68.745 -0.165,67.81 -0.165,61.406 -1.75,59.821 -1.75,52.5 3.716,47.034 3.716,45.893 2.99,45.168 0.557,45.168 -2.294,42.317 -2.294,40.084 -1.836,39.627 -1.189,39.627 -0.198,40.618 -0.198,40.8 0.794,41.791 0.794,41.912 0.956,42.074 0.956,42.532 1.753,43.329 2.874,43.329 3.552,42.651 3.552,38.999 1.891,37.338 v1(0.533,37.338)
NetU1_46: NRF24L01.3 STM32.46 | length 50.6
  Top Layer w0.254: STM32.46 1.763,35.414 1.763,38.618 v1(1.778,38.633)
  Bottom Layer w0.254: NRF24L01.3 -1.3,60.918 -2.5,59.718 -2.5,52.603 3.259,46.845 3.259,46.082 2.801,45.625 0.324,45.625 0.308,45.64 -2.751,42.581 -2.751,39.895 -2.025,39.169 -1,39.169 0.26,40.429 0.26,40.61 1.251,41.602 1.251,41.722 1.533,42.004 1.533,42.462 1.943,42.872 2.637,42.872 3.095,42.414 3.095,39.188 2.559,38.652 1.797,38.652 v1(1.778,38.633)
nNRST: J1.4 STM32.7 | length 66.5
  Top Layer w0.254: J1.4 -12.877,74.4 7.49,74.4 v1(10.135,71.755) ; STM32.7 6.864,39.821 v1(7.747,38.938) ; v1(10.033,41.3) 10.084,41.351 10.084,58.09 v1(10.135,58.141)
  Bottom Layer w0.254: v1(7.747,38.938) 9.474,38.938 10.033,39.497 v1(10.033,41.3) ; v1(10.135,58.141) v1(10.135,71.755)
SWCLK: R3.1 STM32.37 | length 65.5
  Top Layer w0.254: R3.1 -18.855,73.01 -19.453,73.608 -19.453,74.467 -20.051,75.065 -20.051,75.764 -19.333,76.482 -19.333,77.481 -20.039,78.188 -21.038,78.188 -21.784,77.442 -21.784,76.088 -22.53,75.342 -22.53,58.129 -15.819,51.418 -15.819,39.656 -11.725,35.562 -6.677,35.562 -5.714,34.6 -3.551,34.6 STM32.37
SWDIO: R2.1 STM32.34 | length 49.5
  Top Layer w0.254: R2.1 -20.713,73.01 -21.011,72.712 -21.011,72.662 -21.742,71.931 -21.742,57.988 -15.362,51.608 -15.362,39.845 -12.136,36.619 -6.202,36.619 -5.702,37.119 -5.702,37.361 -5.256,37.808 -4.183,37.808 STM32.34
USB_DETECT_IN: C17.2 C18.2 R17.2 R22.1 U6.2 USB.1 | length 4.6
  Top Layer w0.508: C18.2 -22.15,12.958 -21.8,12.608 USB.1
V_Input: C21.2 ON-FF.1 R23.2 R24.2 U8.3 | length 21
  Top Layer w0.508: C21.2 -12.95,63.725 -12.754,63.529 -12.754,63.293 -12.692,63.231 -12.692,61.948 -12.395,61.65 R23.2 -7.932,61.65 -6.339,60.057 U8.3 -5.192,56.4 -4.7,55.908 ON-FF.1 -4.7,53.617 -5.8,52.517 -5.8,50.05 R24.2
V_Output: Bluetooth.5 C1.2 C2.2 C3.2 C4.2 C5.2 C8.1 C9.2 C10.1 C11.1 C22.2 F1.2 J1.5 J2.B1A J2.H1 J2.V1 J3.B1A J3.H1 J3.V1 NRF24L01.2 OLED.2 R4.2 R5.2 R6.2 R7.2 S1.1 S2.1 STM32.1 STM32.24 STM32.36 STM32.48 SW1.1 SW2.1 U2.1 U2.7 U2.8 U2.14 U8.2 VR1.3 VR2.3 | length 433.9
  Top Layer w0.254: -12.502,47.096 -12.878,46.721 -12.878,44.869 -12.54,44.531 -12.54,43.952 ; U2.14 -11.693,44.45 -12.041,44.45 -12.54,43.952 ; U2.1 -11.33,41.957 -10.9,41.528 R6.2 ; U2.1@-11.33,42.639 -12.391,42.639 -12.54,42.787 -12.54,43.952 ; U2.7@-9.085,44.069 -9.085,43.993 -9.06,43.967 U2.7 U2.8 -8.015,44.467 -7.548,44 v1(-7.4,44) ; STM32.36 -2.885,36.821 -2.515,37.191 v1(-2.367,37.191) ; v1(-3.7,44) -2.763,44 -2.75,43.987 STM32.24 ; STM32.48 2.763,35.419 3.989,35.419 ; STM32.1 3.989,36.808 3.989,35.419 ; C4.2 5.215,35.419 3.989,35.419
  Top Layer w0.508: C9.2@-11.812,47.039 -11.869,47.096 -12.502,47.096 -12.802,47.395 -12.802,48.498 -11.8,49.5 -11,49.5 -7.344,45.844 -7.344,44.056 v1(-7.4,44) ; v1(1.1,31.115) 2.319,31.115 R4.2 ; R5.2@5.39,31.301 R5.2 6.602,31.13 6.9,30.832 6.9,28.698 7.198,28.4 9.4,28.4 10.875,29.875
  Top Layer w0.762: C8.1 -24.046,69.8 -23.6,70.246 -23.6,71.393 -23.993,71.786 -23.993,72.793 v1(-24,72.8) ; R7.2 R6.2 ; U8.2 -6.142,62.407 -7.46,63.725 C22.2 -10.406,63.725 -11.7,65.019 -11.7,67 v2(-13.3,68.6) -13.251,68.649 -11.659,68.649 -11.307,69 -6.6,69 -5.72,69.88 NRF24L01.2 ; v1(13.25,30.5) 14.45,29.3 18.6,29.3 ; F1.2 19.721,35.382 20.168,34.936 20.168,30.868 18.6,29.3 ; S2.1 19.023,68.703 26.278,68.703 C10.1 ; v2(24.4,29.3) 18.6,29.3
  Bottom Layer w0.254: -23.9,39.049 -23.751,38.9
  Bottom Layer w0.508: -23.9,39.049 -23.9,40.712 ; -23.751,38.9 -15.343,38.9 -13.843,40.4 -5.576,40.4 v1(-2.367,37.191) -0.876,35.7 2.8,35.7 4.828,37.728 4.828,41.528 8.6,45.3 10.923,45.3 13.25,42.973 v1(13.25,32) ; OLED.2 1.07,27.739 ; v1(1.1,31.115) 1.07,27.739 ; v1(11.5,30.5) 3.831,30.5 1.07,27.739
  Bottom Layer w0.762: J3.B1A -44.429,34.429 -40.1,30.1 -34.715,30.1 -34.269,30.546 J3.V1 -26.649,40.712 -23.9,40.712 J3.H1 -27.284,46.428 ; SW1.1 -34.565,74.165 ; v2(-13.3,68.6) -13.341,68.641 -18.958,68.641 S1.1 -18.999,70.902 -17.101,72.8 ; J1.5 -17.101,72.8 ; v1(-3.7,44) v1(-7.4,44) -13.6,44 -17.8,48.2 -25.512,48.2 -27.284,46.428 ; S2.1 S2.1@19.312,68.682 ; Bluetooth.5 20.541,70.222 19.976,69.657 19.976,69.346 S2.1@19.312,68.682 ; J2.B1A 21.655,39.993 21.655,38.045 26.608,33.092 J2.V1 ; v2(24.4,29.3) 27.939,29.3 J2.V1 ; SW2.1 32.385,75.115 ; J2.H1 41.519,37.8 35.3,37.8 ; -34.565,74.165 -35.355,73.376 -35.355,72.153 VR1.3 -33,69.512 -33,52.143 -27.284,46.428 ; -34.565,74.165 -30.444,74.165 -29.079,72.8 v1(-24,72.8) -17.101,72.8 ; S2.1@19.312,68.682 27.174,68.682 VR2.3 30.645,72.153 30.645,73.376 32.385,75.115 ; J2.V1 31.731,36.531 33,37.8 35.3,37.8 ; 32.385,75.115 33.618,73.882 39.372,73.882 40.6,72.654 40.6,65 35.3,59.7 35.3,37.8
  other v1: 11.5,32
VDDA: C6.2 C7.2 F1.1 STM32.9 | length 15.2
  Top Layer w0.254: STM32.9 7.428,40.821 10.453,37.795 15.205,37.795 16.358,36.642 F1.1
pads on no net: Bluetooth.1 Bluetooth.6 J2.B1B J2.B2B J2.S1 J2.S2 J2.S3 J2.S4 J3.B1B J3.B2B J3.S1 J3.S2 J3.S3 J3.S4 NRF24L01.8 ON-FF.3 STM32.3 STM32.4 STM32.5 STM32.6 STM32.20 STM32.28 U2.2 U2.3 U2.9 U2.11 U2.13 USB.2 USB.3 USB.4 VR1.NC1 VR1.NC2 VR2.NC1 VR2.NC2

## Polygon pours and split planes (outlines as drawn)
GND on Top Layer "GND_L01_P024" (solid, remove dead copper, pour order 24): -26.197,-3.997 -27.485,-6.213 -28.375,-8.375 -29.775,-11.775 -30.675,-14.175 -31.175,-14.875 -31.775,-15.775 -32.475,-16.575 -33.675,-17.575 -34.675,-18.375 -35.975,-18.875 -38.075,-19.375 -39.175,-19.475 -40.575,-19.475 -41.575,-19.375 -42.975,-18.875 -44.175,-18.275 -45.175,-17.675 -46.075,-17.075 -46.775,-16.375 -47.075,-15.775 -47.375,-15.075 -48.175,-14.275 -48.575,-13.175 -49.075,-12.175 -49.175,-10.875 -49.368,-9.975 -48.975,-8.575 -48.975,-6.575 -48.675,-3.075 -46.975,30.125 -45.085,69.901 -43.866,74.225 -42.088,76.607 -39.983,78.108 -38.075,79.146 -34.087,79.629 36.714,79.425 40.125,78.025 42.225,76.725 43.925,74.225 45.029,71.425 45.225,68.656 45.225,66.75 45.225,62.625 46.925,28.425 49.125,-8.675 48.925,-11.575 48.825,-12.875 48.125,-13.975 47.825,-15.275 46.514,-16.812 43.985,-18.501 40.478,-19.67 38.525,-19.475 36.252,-18.875 34.525,-17.775 33.425,-17.175 31.625,-15.075 30.625,-13.375 29.391,-10.289 28.869,-9.231 27.025,-4.975 25.501,-2.677 21.613,0.017 19.088,0.468 7.722,0.468 -19.975,0.468 -21.146,0.125 -24.565,-2.05
NetC15_2 on Top Layer "NETC15_2_L01_P000" (solid, pour order 0): -14,1.25 -14,10.75 -17.25,10.75 -17.25,6.75 -23,6.75 -23.25,7 -23.25,10.25 -26,10.25 -26.5,9.75 -26.5,3 -31.25,3 -31.5,2.75 -31.5,1.5 -31.25,1.25 -30.5,1.25
GND on Bottom Layer "GND_L02_P023" (solid, remove dead copper, pour order 23): -26.6,-4.5 -27.61,-6.239 -28.5,-8.4 -29.9,-11.8 -30.8,-14.2 -31.3,-14.9 -31.9,-15.8 -32.6,-16.6 -33.8,-17.6 -34.8,-18.4 -36.1,-18.9 -38.2,-19.4 -39.3,-19.5 -40.7,-19.5 -41.7,-19.4 -43.1,-18.9 -44.3,-18.3 -45.3,-17.7 -46.2,-17.1 -46.9,-16.4 -47.2,-15.8 -47.5,-15.1 -48.3,-14.3 -48.7,-13.2 -49.2,-12.2 -49.3,-10.9 -49.494,-10 -49.1,-8.6 -49.1,-6.6 -48.8,-3.1 -47.1,30.1 -45.303,67.986 -44.165,73.589 -41.813,76.882 -40.15,78.324 -37.1,79.4 -34.2,79.5 36.588,79.4 40,78 42.1,76.7 43.8,74.2 44.904,71.4 44.8,68.6 45.1,66.725 45.1,62.6 46.8,28.4 49,-8.7 48.8,-11.6 48.7,-12.9 48,-14 47.7,-15.3 46.389,-16.837 43.3,-18.9 40.785,-19.738 38.4,-19.5 36.2,-18.6 34.4,-17.8 33.3,-17.2 31.5,-15.1 30.5,-13.4 29.266,-10.314 28.744,-9.256 26.9,-5 25.891,-2.672 21.071,0.066 18.962,0.442 7.624,0.679 -20.1,0.442 -21.271,0.1 -24.426,-1.908

## Keep-outs
Keep-Out Layer:
  lines w0.254: -49.482,-9.494 ccw(c-39.487,-9.993) -39.487,-20 ; -49.482,-9.494 ccw(c-39.487,-9.993) -39.487,-20 ; -49.482,-9.494 -45.482,70.506 ; -49.482,-9.494 -45.482,70.506 ; -45.482,70.506 cw(c-35.487,70.007) -35.487,80.013 ; -45.482,70.506 cw(c-35.487,70.007) -35.487,80.013 ; -39.487,-20 ccw(c-39.487,-9.993) -30.25,-13.842 ; -39.487,-20 ccw(c-39.487,-9.993) -30.25,-13.842 ; -35.487,80.013 35.488,80.013 cw(c35.488,70.007) 45.482,70.506 ; -30.25,-13.842 -27.045,-6.15 ; -30.25,-13.842 -27.045,-6.15 ; -27.045,-6.15 cw(c-27.044,-6.15) -27.045,-6.15 ; -27.045,-6.15 cw(c-27.044,-6.15) -27.045,-6.15 ; -27.045,-6.15 cw(c-17.821,-9.993) -17.821,0 ; -27.045,-6.15 cw(c-17.821,-9.993) -17.821,0 ; -17.821,0 17.821,0 cw(c17.821,-9.993) 27.046,-6.15 ; 27.046,-6.15 cw(c27.167,-6.099) 27.046,-6.15 ; 27.046,-6.15 cw(c27.047,-6.149) 27.046,-6.15 ; 27.046,-6.15 30.251,-13.842 ccw(c39.488,-9.993) 39.488,-20 ccw(c39.488,-9.993) 49.494,-9.993 ccw(c39.492,-9.993) 49.482,-9.494 45.482,70.506 ; 27.046,-6.15 27.046,-6.15 ; 45.482,70.506 cw(c45.476,70.506) 45.482,70.506 45.482,70.506

## Other copper
Top Layer:
  region net V_Output: 4.75,35.75 5.25,36.25 15,36.25 15.25,36 15.25,30 15,29.75 11,29.75 10.5,30.25 10.5,32.5 11,32.75 14.5,32.75 14.5,34.8 4.75,34.8
  region net NetC16_2: -28.25,18.5 -28,18.25 -23.75,18.25 -23.5,18.5 -23.5,19.25 -23.75,19.5 -28,19.5 -28.25,19.25
  region net NetB3_POS: 33,14 34,15 39,15 40,14 40,8 39,7 34,7 33,8
  region net USB_DETECT_IN: -28.2,13.2 -28,13.4 -16,13.4 -15.8,13.2 -15.8,12.4 -16,12.2 -28,12.2 -28.2,12.4
  region net NetC19_2: -6.6,49 -6.4,49.2 -1.2,49.2 -1,49 -1,48.4 -1.2,48.2 -6.6,48.2 -6.6,48.4
  region net VDDA: 17,30.75 16.75,30.5 16,30.5 15.75,30.75 15.75,36.25 16,36.5 16.75,36.5 17,36.25 17,31

## Silkscreen, mask and mechanical layers (free items; w line width, h text height)
Top Overlay:
  drawing of 37 lines, arcs and shapes, not listed
  text "X" at 43.155,30.582 h1.02
  text "X" at -44.221,29.007 h1.02 r180
  text "Y" at 37.287,22.428 h1.02
  text "Y" at -34.95,22.327 h1.02
  text "Controller V1.0" at 14.859,1.168 h1.02